# Allegro board SG2042_EVB_V2_0.brd (continued)
## Routing (per net, layer and track width the routed paths; a pad name or vN(x,y) marks a point on that pad's centre or on a via; arc(x,y) is an arc through that point) (continued)
DDR23_VPP_2V5: length 144.7
  TOP w0.203: v1(49.86,178.31) C6149.2 49.25,179.15 R12866.2
  TOP w0.254: C43.1 49.81,155.02 ; C43.1 49.38,154.58 ; C43.1 48.95,155.02 ; 66.19,158.76 J4.286 ; J4.286 66.19,160.09 ; J4.286 66.85,159.43 ; J4.286 65.53,159.43 ; J4.288 66.19,158.39 ; J4.288 65.53,157.73 ; J4.288 66.85,157.73 ; J4.288 66.19,157.06 ; J3.288 56.79,158.39 ; J3.288 57.45,157.73 ; J3.288 56.13,157.73 ; J3.288 56.79,157.06 ; 52.33,159.43 J3.142 ; J3.142 52.99,158.76 ; J3.142 53.65,159.43 ; R11.2 48.14,161.06 47.43,161.77 46.18,161.77 ; C63.1 59.21,155.02 ; C63.1 58.34,155.02 ; C63.1 58.78,154.58 ; J4.284 65.47,161.13 ; J3.287 55.85,158.57 ; J3.287 55.19,157.91 ; J3.287 54.53,158.57 ; 58.34,157.53 C62.1 ; C62.1 58.78,157.96 ; C62.1 59.21,157.53 ; 64.59,157.91 J4.287 ; J4.287 63.93,158.57 ; J4.287 65.25,158.57 ; J4.287 64.59,159.24 ; 49.81,159.61 C41.1 48.95,159.61 ; C64.1 58.78,154.18 ; C64.1 59.21,153.75 ; C64.1 58.34,153.75 ; J4.143 60.79,159.24 ; J4.143 60.13,158.57 ; J4.143 60.79,157.91 ; J4.143 61.45,158.57 ; 62.39,158.76 J4.142 ; J4.142 61.73,159.43 ; J4.142 63.05,159.43 ; 51.39,157.91 J3.143 ; J3.143 52.05,158.57 ; J3.143 50.73,158.57 ; C42.1 49.81,157.53 ; C42.1 48.95,157.53 ; C42.1 49.38,157.96 ; 56.79,158.76 J3.286 ; J3.286 57.45,159.43 ; J3.286 56.13,159.43 ; 58.34,159.61 C61.1 59.21,159.61 ; R13.2 R9.2 v1(48.16,213.61) ; C44.1 49.38,154.18 ; C44.1 49.81,153.75 ; C44.1 48.95,153.75 ; 46.23,164.72 R16.2 R15.2 ; 67.82,154.97 C3291.2 68.25,154.53
  ART14 w0.203: v1(49.86,178.31) 48.82,177.27 48.82,166.62 46.91,164.72 43.28,164.72 40.79,162.23 40.79,160.83 41,160.63 v1(42.42,160.63)
  ART14 w0.254: J3.286 57.45,159.43 ; J3.286 56.79,160.09 ; J3.286 56.79,158.76 ; J3.286 56.13,159.43 ; 52.33,159.43 J3.142 ; J3.142 52.99,158.76 ; J3.142 53.65,159.43 ; J3.142 52.99,160.09 ; J4.287 64.59,159.24 ; J4.287 64.59,157.91 ; J4.287 63.93,158.57 ; J4.287 65.25,158.57 ; J3.287 55.19,159.24 ; J3.287 55.85,158.57 ; J3.287 55.19,157.91 ; J3.287 54.53,158.57 ; J3.288 56.79,158.39 ; J3.288 56.79,157.06 ; J3.288 56.13,157.73 ; J3.288 57.45,157.73 ; 60.79,157.91 J4.143 ; J4.143 61.45,158.57 ; J4.143 60.13,158.57 ; J4.143 60.79,159.24 ; J3.284 57.45,161.13 ; J3.284 56.79,160.46 ; J3.284 56.13,161.13 ; 50.62,161.57 50.62,182.75 49.48,183.9 49.48,212.29 v1(48.16,213.61) ; 61.73,159.43 J4.142 ; J4.142 63.05,159.43 ; J4.142 62.39,160.09 ; J4.142 62.39,158.76 ; J3.143 51.39,159.24 ; J3.143 51.39,157.91 ; J3.143 52.05,158.57 ; J3.143 50.73,158.57
  vias: v1(42.42,160.07) v1(42.42,158.88) v1(42.42,158.32) v1(49.99,159.61) v1(49.99,157.53) v1(49.99,155.02) v1(49.99,153.75) v1(59.39,159.61) v1(59.39,157.53) v1(59.39,153.75)
DDR23_VTT_0V6: length 12.4
  TOP w0.254: 51.39,219.11 J3.77 ; J3.77 50.73,219.78 ; J3.77 52.05,219.78 ; 64.59,219.11 J4.221 63.93,219.78 ; 55.19,219.11 J3.221 ; J3.221 54.53,219.78 ; J3.221 55.85,219.78 ; R660.2 43.43,223.77 42.82,224.38 U56.3 ; 60.79,219.11 J4.77 ; J4.77 60.13,219.78 ; J4.77 61.45,219.78
  TOP w0.508: R660.2 C1535.1 C1536.1 C1537.1 43.43,220.01
DDR_REF: length 4.8
  TOP w0.381: U3273.H1 v1(197.08,97.25) ; U3273.U1 v1(197.08,105.23) ; U3273.AA6 v1(193.08,108.43)
  BOTTOM w0.381: v1(193.08,108.43) 193.27,108.43 C6179.1 ; R12958.2 R12961.1 C6178.1 196.9,105.05 v1(197.08,105.23)
DDR_VDD_0V8: length 455.5
  TOP w0.102: U202.23 196.8,294.14 196.7,294.03 196.41,294.03 196.16,293.78 196.16,292.62 195.67,292.13 195.38,292.13 C3407.1 v1(194.46,292.43)
  TOP w0.381: U1.AB42 U1.AA43 v1(131.75,229.05) ; U1.AF15 U1.AE14 v1(101.75,225.05) ; U1.BE14 v1(101.75,204.05) ; U1.BC14 v1(101.75,206.05) ; U1.AL43 v1(131.75,218.05) ; U1.AC43 v1(131.75,227.05) ; U1.Y15 U1.W14 v1(101.75,231.05) ; U1.T15 v1(102.75,234.05) ; U1.AB13 v1(100.75,228.05) ; U1.AY13 v1(100.75,209.05) ; U1.AP44 v1(132.75,215.05) ; U1.AT44 v1(132.75,213.05) ; U1.U43 v1(131.75,233.05) ; U1.AK42 v1(130.75,219.05) ; U1.AJ14 v1(101.75,220.05) ; U1.BA43 v1(131.75,208.05) ; U1.AK15 v1(102.75,219.05) ; U1.AW43 v1(131.75,210.05) ; U1.AT13 v1(100.75,213.05) ; U1.N14 v1(101.75,237.05) ; U1.AU14 v1(101.75,212.05) ; U1.AV13 v1(100.75,211.05) ; U1.R43 v1(131.75,235.05) ; U1.AH44 v1(132.75,222.05) ; U1.M44 v1(132.75,238.05) ; U1.T44 v1(132.75,234.05) ; U1.K13 v1(100.75,240.05) ; U1.Y44 v1(132.75,230.05) ; U1.AB44 v1(132.75,228.05) ; U1.W43 v1(131.75,231.05) ; U1.P15 v1(102.75,236.05) ; U1.AN43 v1(131.75,216.05) ; U1.AR14 v1(101.75,214.05) ; v1(101.75,229.05) U1.AA14 U1.AB15 ; U1.AV44 v1(132.75,211.05) ; U1.P44 v1(132.75,236.05) ; U1.M15 v1(102.75,238.05) ; U1.AL14 v1(101.75,218.05) ; U1.P13 v1(100.75,236.05) ; U1.AJ43 v1(131.75,220.05) ; U1.Y13 v1(100.75,230.05) ; U1.AF13 v1(100.75,224.05) ; U1.AK44 v1(132.75,219.05) ; U1.N43 v1(131.75,237.05) ; U1.V42 v1(130.75,232.05) ; U1.P42 v1(130.75,236.05) ; U1.T13 v1(100.75,234.05) ; U1.K15 v1(102.75,240.05) ; U1.AM13 v1(100.75,217.05) ; U1.AR43 v1(131.75,214.05) ; U1.BB44 v1(132.75,207.05) ; U1.M42 v1(130.75,238.05) ; U1.R14 v1(101.75,235.05) ; U1.AM44 v1(132.75,217.05) ; U1.BC43 v1(131.75,206.05) ; U1.T42 v1(130.75,234.05) ; U1.AY44 v1(132.75,209.05) ; U1.V44 v1(132.75,232.05) ; U1.AH15 U1.AG14 v1(101.75,223.05) ; U1.AH13 v1(100.75,222.05) ; U1.L43 v1(131.75,239.05) ; U1.AC14 v1(101.75,227.05) ; U1.K44 v1(132.75,240.05) ; U1.V13 v1(100.75,232.05) ; U1.BD13 v1(100.75,205.05) ; U1.V15 v1(102.75,232.05) ; U1.BD44 v1(132.75,205.05) ; U1.AD44 v1(132.75,226.05) ; U1.AP13 v1(100.75,215.05) ; U1.AF44 v1(132.75,224.05) ; U1.AW14 v1(101.75,210.05) ; U1.L14 v1(101.75,239.05) ; v1(131.75,225.05) U1.AE43 U1.AF42 ; U1.AN14 v1(101.75,216.05) ; U1.AU43 v1(131.75,212.05) ; U1.Y42 v1(130.75,230.05) ; U1.U14 v1(101.75,233.05) ; U1.AK13 v1(100.75,219.05) ; U1.BA14 v1(101.75,208.05) ; v1(131.75,223.05) U1.AG43 U1.AH42 ; U1.AD13 v1(100.75,226.05) ; U1.BB13 v1(100.75,207.05) ; U1.M13 v1(100.75,238.05) ; U1.K42 v1(130.75,240.05)
  TOP w0.508: C272.2 P_DDR_VDD_0V8.1
  ART03 w0.102: v1(207.77,170.54) 207.37,170.94 207.37,226.1 214.99,233.72 214.99,271.2 210.19,276 210.19,285.72 208.97,286.94 208.97,288.22 207.18,290.01 198.7,290.01 196.59,292.13 194.77,292.13 v1(194.46,292.43)
  ART05 w0.102: v1(207.77,170.54) 208.36,169.95 208.36,169.06 205.85,166.55 205.85,162.66 199.52,156.34 154.73,156.34 138.07,139.67 112.46,139.67 110.11,142.03 110.11,157.01 106.96,160.16 106.96,161.04 106.4,161.59 v1(105.66,161.59)
  BOTTOM w0.381: v1(131.75,216.05) C87.2 v1(132.75,217.05) C167.2 ; v1(101.75,204.05) C134.2 v1(100.75,205.05) C133.2 ; v1(101.75,206.05) C132.2 v1(100.75,207.05) C129.2 ; C92.2 v1(100.75,238.05) C90.2 v1(101.75,239.05) C91.2 v1(102.75,240.05) ; C122.2 v1(100.75,215.05) C123.2 v1(101.75,214.05) ; v1(131.75,208.05) C88.2 v1(132.75,209.05) C174.2 ; v1(101.75,220.05) C119.2 v1(102.75,219.05) ; v1(101.75,220.05) C115.2 ; v1(101.75,220.05) C116.2 ; FB16.2 C155.2 v1(131.75,225.05) C86.2 v1(132.75,224.05) C159.2 ; C156.2 v1(132.75,226.05) C153.2 v1(131.75,227.05) C152.2 ; FB20.2 C110.2 v1(101.75,225.05) C82.2 v1(100.75,224.05) C111.2 ; v1(101.75,212.05) C125.2 v1(100.75,213.05) C124.2 ; C128.2 v1(100.75,209.05) C84.2 v1(101.75,208.05) ; v1(131.75,206.05) C175.2 v1(132.75,207.05) C176.2 ; v1(130.75,236.05) C141.2 v1(131.75,235.05) C142.2 v1(132.75,234.05) C145.2 ; v1(130.75,232.05) C146.2 v1(131.75,231.05) C147.2 v1(132.75,230.05) C151.2 ; C160.2 v1(131.75,220.05) ; v1(131.75,220.05) C163.2 v1(130.75,219.05) ; v1(131.75,220.05) C161.2 ; C120.2 v1(100.75,217.05) C83.2 v1(101.75,216.05) ; C178.2 v1(132.75,205.05) C177.2 ; v1(131.75,210.05) C172.2 v1(132.75,211.05) C173.2 ; C126.2 v1(100.75,211.05) C127.2 v1(101.75,210.05) ; C95.2 v1(100.75,236.05) C93.2 v1(101.75,237.05) C94.2 v1(102.75,238.05) ; v1(130.75,234.05) C144.2 v1(131.75,233.05) C85.2 v1(132.75,232.05) C148.2 ; v1(130.75,240.05) C135.2 v1(131.75,239.05) C136.2 v1(132.75,238.05) C140.2 ; C165.2 v1(132.75,219.05) C164.2 v1(131.75,218.05) C166.2 FB14.2 ; C157.2 v1(131.75,223.05) C158.2 v1(132.75,222.05) C162.2 ; v1(131.75,212.05) C170.2 v1(132.75,213.05) C171.2 ; v1(131.75,214.05) C168.2 v1(132.75,215.05) C169.2 ; v1(102.75,236.05) C97.2 v1(101.75,235.05) C96.2 v1(100.75,234.05) C98.2 ; C108.2 v1(101.75,227.05) C107.2 v1(100.75,226.05) C109.2 ; C154.2 v1(132.75,228.05) C150.2 v1(131.75,229.05) C149.2 v1(130.75,230.05) ; C103.2 v1(100.75,230.05) C101.2 v1(101.75,231.05) C102.2 v1(102.75,232.05) ; C89.2 v1(100.75,240.05) ; C114.2 v1(100.75,222.05) C112.2 v1(101.75,223.05) C113.2 ; C137.2 v1(132.75,240.05) ; C117.2 v1(100.75,219.05) C118.2 v1(101.75,218.05) C121.2 ; C105.2 v1(101.75,229.05) C104.2 v1(100.75,228.05) C106.2 ; C143.2 v1(132.75,236.05) C139.2 v1(131.75,237.05) C138.2 v1(130.75,238.05) ; C100.2 v1(100.75,232.05) C81.2 v1(101.75,233.05) C99.2 v1(102.75,234.05)
  vias: v1(102.31,161.59) v1(102.31,161.04) v1(102.31,160.48) v1(102.31,159.92) v1(102.31,159.36) v1(102.87,161.59) v1(102.87,161.04) v1(102.87,160.48) v1(102.87,159.92) v1(102.87,159.36) v1(103.25,225.55) v1(103.25,217.55) v1(103.43,161.59) v1(103.43,161.04) v1(103.43,160.48) v1(103.43,159.92) v1(103.43,159.36) v1(103.99,161.59) v1(103.99,161.04) v1(103.99,160.48) v1(103.99,159.92) v1(103.99,159.36) v1(104.55,161.59) v1(104.55,161.04) v1(104.55,160.48) v1(104.55,159.92) v1(104.55,159.36) v1(105.11,161.59) v1(105.11,161.04) v1(105.11,160.48) v1(105.11,159.92) v1(105.11,159.36) v1(105.66,161.04) v1(105.66,160.48) v1(105.66,159.92) v1(105.66,159.36) v1(130.25,225.55) v1(130.25,217.55) v1(130.63,157.99) v1(130.63,157.43) v1(130.63,156.87) v1(131.19,157.99) v1(131.19,157.43) v1(131.19,156.87) v1(131.25,204.55)
DEBUG27: length 7.8
  TOP w0.102: R12523.1 R12518.1 132.38,73.23 134.65,73.23 134.86,73.01 138.06,73.01 U3235.AD24
DEBUG29: length 8.5
  TOP w0.102: R12723.1 R12719.1 130.51,73.43 136.08,73.43 U3235.AF23
DEBUG30: length 6.6
  TOP w0.102: R12722.1 R12718.1 v1(134.62,73.89) ; v1(138.86,73.81) 138.46,74.21 U3235.AD23
  ART03 w0.102: v1(134.62,73.89) 135.1,73.41 138.46,73.41 v1(138.86,73.81)
DEBUG31: length 12.7
  TOP w0.102: v1(130.45,73.89) R12720.1 R12721.1 ; v1(140.46,73.81) 140.06,74.21 U3235.AB23
  ART03 w0.102: v1(130.45,73.89) 131.01,73.33 134.7,73.33 135,73.03 139.67,73.03 v1(140.46,73.81)
DIMM_SCL: length 173
  TOP w0.102: R2082.1 R2084.1 v1(187.38,160.73) ; v1(46.76,161.14) R2086.1 R2088.1 ; R2255.1 v1(73.76,157.86) R2248.2
  BOTTOM w0.102: v1(46.76,161.14) 46.94,160.96 46.94,156.82 49.63,154.13 70.03,154.13 v1(73.76,157.86) 73.94,158.04 86.69,158.04 105.18,176.53 133.43,176.53 155.65,154.31 184,154.31 187.2,157.51 187.2,160.55 v1(187.38,160.73)
DIMM_SDA: length 177.1
  TOP w0.102: R2083.1 R2081.1 v1(187.38,162.46) ; R2254.1 v1(72.9,157.86) R2247.2 ; v1(46.76,163.93) R2087.1 R2085.1
  BOTTOM w0.102: v1(46.76,163.93) 47.14,163.55 47.14,156.9 49.72,154.33 69.37,154.33 v1(72.9,157.86) 73.28,158.24 86.61,158.24 105.1,176.73 133.51,176.73 155.74,154.51 183.91,154.51 186.99,157.59 186.99,162.08 v1(187.38,162.46)
DM1: length 5.9
  TOP w0.099: CON1100.11 16.05,214.85 arc(16.24,214.81) 16.4,214.7 16.99,214.11 arc(17.15,214) 17.34,213.96 18.35,213.96 arc(18.46,213.99) 18.55,214.05 D540.2 19.5,214.14 L1017.4 19.63,214.27 R12608.2
DM2: length 17.6
  BOTTOM w0.099: CON1100.2 12.85,214.85 arc(13.04,214.81) 13.2,214.7 13.79,214.11 arc(13.95,214) 14.14,213.96 14.79,213.96 arc(14.98,214) 15.14,214.11 15.62,214.59 arc(15.78,214.7) 15.97,214.73 16.29,214.73 arc(16.48,214.7) 16.64,214.59 17.22,214 arc(17.27,213.97) 17.33,213.96 17.41,213.96 17.79,213.96 arc(18.13,213.89) 18.42,213.69 19.43,212.68 arc(19.68,212.52) 19.97,212.46 22.67,212.46 arc(22.96,212.52) 23.2,212.68 24.19,213.67 arc(24.51,213.88) 24.89,213.96 25.15,213.96 arc(25.26,213.98) 25.35,214.04 D534.2 26.3,214.14 L1018.1 26.44,214.27 R12611.2
DM3: length 5.9
  TOP w0.099: CON1101.11 16.05,196.95 arc(16.24,196.91) 16.4,196.8 16.99,196.21 arc(17.15,196.1) 17.34,196.06 18.32,196.06 arc(18.44,196.09) 18.54,196.16 D574.2 19.5,196.26 L1029.4 19.63,196.39 R12792.2
DM4: length 17.6
  BOTTOM w0.099: R12795.2 26.44,196.39 L1030.1 26.3,196.26 D568.2 25.35,196.16 arc(25.26,196.1) 25.15,196.08 24.89,196.08 arc(24.51,196) 24.19,195.78 23.2,194.8 arc(22.96,194.63) 22.67,194.58 19.97,194.58 arc(19.68,194.63) 19.43,194.8 18.41,195.82 arc(18.15,196) 17.85,196.06 17.41,196.06 17.33,196.06 arc(17.27,196.07) 17.22,196.1 16.64,196.69 arc(16.48,196.8) 16.29,196.83 15.97,196.83 arc(15.78,196.8) 15.62,196.69 15.14,196.21 arc(14.98,196.1) 14.79,196.06 14.14,196.06 arc(13.95,196.1) 13.79,196.21 13.2,196.8 arc(13.04,196.91) 12.85,196.95 CON1101.2
DM5: length 12.1
  TOP w0.099: J2047.U2 17.5,176.59 arc(17.53,176.52) 17.6,176.49 17.95,176.49 arc(18.36,176.41) 18.72,176.17 20.17,174.72 arc(20.73,173.88) 20.93,172.88 20.93,172.47 arc(21.05,171.86) 21.4,171.34 21.41,171.32 arc(21.93,170.97) 22.54,170.85 23.55,170.85 arc(23.66,170.88) 23.75,170.94 D606.2 24.7,171.04 L1007.4 24.84,171.17 R12453.2
DM6: length 19.2
  TOP w0.099: R12456.2 24.84,168.07 L1008.1 24.7,168.2 D608.2 23.75,168.3 arc(23.66,168.37) 23.55,168.39 22.76,168.39 arc(21.86,168.57) 21.1,169.08 19.78,170.4 arc(19.3,171.12) 19.13,171.97 19.13,172.12 arc(18.98,172.84) 18.58,173.45 18.56,173.46 arc(17.95,173.87) 17.24,174.01 14.41,174.01 arc(13.98,174.1) 13.62,174.34 13.6,174.36 arc(13.36,174.72) 13.28,175.15 13.28,175.52 arc(13.35,175.88) 13.56,176.19 13.57,176.21 arc(13.88,176.42) 14.25,176.49 14.78,176.49 arc(14.85,176.52) 14.88,176.59 J2047.U6
DP1: length 5.9
  TOP w0.099: CON1100.12 16.05,212.85 arc(16.24,212.89) 16.4,213 16.99,213.59 arc(17.15,213.7) 17.34,213.74 18.33,213.74 arc(18.44,213.71) 18.54,213.65 D539.2 19.5,213.54 L1017.1 19.63,213.41 R12610.2
DP2: length 17.6
  BOTTOM w0.099: CON1100.3 12.85,212.85 arc(13.04,212.89) 13.2,213 13.79,213.59 arc(13.95,213.7) 14.14,213.74 14.79,213.74 arc(14.98,213.7) 15.14,213.59 15.62,213.11 arc(15.78,213) 15.97,212.97 16.29,212.97 arc(16.48,213) 16.64,213.11 17.22,213.69 arc(17.27,213.72) 17.33,213.73 17.41,213.73 17.79,213.73 arc(18.04,213.68) 18.26,213.53 19.27,212.52 arc(19.59,212.31) 19.97,212.23 22.67,212.23 arc(23.04,212.31) 23.37,212.52 24.35,213.51 arc(24.6,213.67) 24.89,213.73 25.15,213.73 arc(25.26,213.71) 25.35,213.64 D533.2 26.3,213.54 L1018.4 26.44,213.41 R12609.2
DP3: length 5.9
  TOP w0.099: CON1101.12 16.05,194.95 arc(16.24,194.99) 16.4,195.1 16.99,195.69 arc(17.15,195.8) 17.34,195.84 18.36,195.84 arc(18.46,195.82) 18.55,195.76 D573.2 19.5,195.66 L1029.1 19.63,195.53 R12794.2
DP4: length 17.6
  BOTTOM w0.099: CON1101.3 12.85,194.95 arc(13.04,194.99) 13.2,195.1 13.79,195.69 arc(13.95,195.8) 14.14,195.84 14.79,195.84 arc(14.98,195.8) 15.14,195.69 15.62,195.21 arc(15.78,195.1) 15.97,195.07 16.29,195.07 arc(16.48,195.1) 16.64,195.21 17.22,195.79 arc(17.27,195.82) 17.33,195.83 17.41,195.83 17.85,195.83 arc(18.06,195.78) 18.25,195.66 19.27,194.64 arc(19.59,194.42) 19.97,194.35 22.67,194.35 arc(23.04,194.42) 23.37,194.64 24.35,195.62 arc(24.6,195.79) 24.89,195.85 25.15,195.85 arc(25.26,195.82) 25.35,195.76 D567.2 26.3,195.66 L1030.4 26.44,195.53 R12793.2
DP5: length 12.1
  TOP w0.099: J2047.U3 17.5,176.16 arc(17.53,176.23) 17.6,176.26 17.95,176.26 arc(18.28,176.2) 18.55,176.01 20.01,174.56 arc(20.52,173.79) 20.7,172.88 20.7,172.47 arc(20.84,171.77) 21.24,171.18 21.25,171.16 arc(21.85,170.76) 22.54,170.62 23.55,170.62 arc(23.66,170.6) 23.75,170.54 D607.2 24.7,170.44 L1007.1 24.84,170.31 R12455.2
DP6: length 19.2
  TOP w0.099: J2047.U7 14.88,176.16 arc(14.85,176.23) 14.78,176.26 14.25,176.26 arc(13.97,176.21) 13.73,176.05 13.72,176.03 arc(13.56,175.79) 13.5,175.52 13.5,175.15 arc(13.57,174.81) 13.77,174.52 13.78,174.5 arc(14.07,174.31) 14.41,174.24 15.56,174.24 arc(15.74,174.31) 15.81,174.49 15.81,174.56 arc(16.06,174.81) 16.31,174.56 16.31,174.49 arc(16.38,174.31) 16.56,174.24 17.24,174.24 arc(18.04,174.08) 18.72,173.62 18.74,173.61 arc(19.2,172.93) 19.35,172.12 19.35,171.97 arc(19.51,171.21) 19.94,170.56 21.26,169.24 arc(21.95,168.78) 22.76,168.62 23.55,168.62 arc(23.66,168.64) 23.75,168.7 D609.2 24.7,168.8 L1008.4 24.84,168.94 R12454.2
DPE_RSTN: length 470.5
  TOP w0.102: R12816.1 v1(215.44,167.21) ; R12539.1 v1(56.39,48.62) ; R12905.2 C5690.1 R12506.1 v1(162.05,88.65) ; R12552.1 v1(220.88,79.81) ; R12953.2 v1(200.13,92.05) ; R12531.1 v1(57.56,109.58) ; R12536.1 v1(57.56,68.94) ; R12584.1 v1(21.44,156.74) ; R12577.1 v1(165.1,43.18)
  ART05 w0.102: v1(165.1,43.18) 165.1,43.69 161.29,47.5 153.14,47.5 150.04,50.6 58.37,50.6 v1(56.39,48.62)
  ART14 w0.102: v1(215.44,167.21) 215.44,163.93 208.31,156.79 208.31,98.93 204.6,95.22 201.65,95.22 200.13,93.7 v1(200.13,92.05) 212.37,79.81 v1(220.88,79.81) ; v1(21.44,156.74) 21.01,156.31 21.01,146.3 48.08,119.23 48.08,114.73 53.24,109.58 v1(57.56,109.58) 57.56,107.19 55.83,105.46 55.83,93.78 55.12,93.07 55.12,81.1 57.56,78.66 v1(57.56,68.94) 57.56,66.42 56.39,65.25 v1(56.39,48.62) ; v1(165.1,43.18) 164.44,43.84 164.44,49.58 157.68,56.34 157.68,77.82 159.34,79.47 159.34,83.21 162.05,85.93 v1(162.05,88.65)
  BOTTOM w0.102: v1(162.05,88.65) 167.26,83.44 178.23,83.44 179.15,82.52 191.41,82.52 194.13,79.81 v1(220.88,79.81)
EMMC_CD_X: length 0.9
  TOP w0.102: R38.1 R1254.1
EMMC_CLK: length 21
  TOP w0.102: R36.1 T8.1 v1(212.01,275.44) ; U2.M6 v1(219.2,278.89)
  ART05 w0.102: v1(212.01,275.44) 210.95,275.44 210.03,276.35 210.03,279.53 210.9,280.39 215.01,280.39 215.11,280.29 215.11,279.91 215.21,279.81 215.41,279.81 215.51,279.91 215.51,280.29 215.62,280.39 215.82,280.39 215.92,280.29 215.92,279.91 216.02,279.81 216.23,279.81 216.33,279.91 216.33,280.29 216.43,280.39 216.63,280.39 216.73,280.29 216.73,279.91 216.84,279.81 217.04,279.81 217.14,279.91 217.14,280.29 217.24,280.39 217.7,280.39 v1(219.2,278.89)
EMMC_CMD: length 22.6
  TOP w0.102: R1246.1 v1(210.79,278.03) ; U2.M5 220.2,279.14 v1(219.95,278.89)
  ART05 w0.102: v1(210.79,278.03) 210.34,278.49 210.34,279.07 210.59,279.32 212.5,279.32 212.6,279.22 212.6,278.41 212.7,278.31 212.9,278.31 213.01,278.41 213.01,279.22 213.11,279.32 213.31,279.32 213.41,279.22 213.41,278.41 213.51,278.31 213.72,278.31 213.82,278.41 213.82,279.22 213.92,279.32 214.12,279.32 214.23,279.22 214.23,278.41 214.33,278.31 214.53,278.31 214.63,278.41 214.63,279.22 214.73,279.32 214.94,279.32 215.04,279.22 215.04,278.41 215.14,278.31 215.34,278.31 215.44,278.41 215.44,279.22 215.55,279.32 215.75,279.32 215.85,279.22 215.85,278.41 215.95,278.31 216.16,278.31 216.26,278.41 216.26,279.22 216.36,279.32 217.02,279.32 217.95,278.39 219.45,278.39 v1(219.95,278.89)
  BOTTOM w0.102: R40.2 219.94,278.9 v1(219.95,278.89)
EMMC_DAT0: length 21.6
  TOP w0.102: U2.A3 v1(221.56,273.38) ; R1247.1 v1(210.79,277.16)
  ART05 w0.102: v1(221.56,273.38) 220.83,274.12 218.21,274.12 217.6,274.73 217.46,274.73 217,274.27 216.85,274.27 216.71,274.41 216.71,274.55 217.17,275.01 217.17,275.16 217.02,275.3 216.88,275.3 216.29,274.71 216.15,274.71 216.01,274.86 216.01,275 216.59,275.59 216.59,275.73 216.45,275.88 216.31,275.88 215.72,275.29 215.57,275.29 215.43,275.43 215.43,275.58 216.02,276.17 216.02,276.31 215.87,276.45 215.73,276.45 215.14,275.86 215,275.86 214.86,276.01 214.86,276.15 215.44,276.74 215.44,276.88 215.3,277.03 215.16,277.03 214.57,276.44 214.42,276.44 213.7,277.16 v1(210.79,277.16)
  BOTTOM w0.102: R31.2 v1(221.56,273.38)
EMMC_DAT1: length 20.9
  TOP w0.102: U2.A4 220.7,273.38 v1(220.7,273.38) ; R1248.1 v1(210.79,276.3)
  ART05 w0.102: v1(210.79,276.3) 212.03,276.3 212.33,276 212.48,276 213.19,276.71 213.33,276.71 213.48,276.57 213.48,276.42 212.76,275.71 212.76,275.57 212.91,275.42 213.05,275.42 213.77,276.14 213.91,276.14 214.05,275.99 214.05,275.85 213.34,275.14 213.34,274.99 213.48,274.85 213.63,274.85 214.34,275.56 214.48,275.56 214.63,275.42 214.63,275.27 213.91,274.56 213.91,274.42 214.47,273.86 214.94,273.86 215.04,273.96 215.04,274.63 215.14,274.73 215.35,274.73 215.45,274.63 215.45,273.96 215.55,273.86 220.22,273.86 v1(220.7,273.38)
  BOTTOM w0.102: v1(220.7,273.38) R32.2
EMMC_DAT2: length 22.8
  TOP w0.102: R1249.1 v1(210.79,282.35) ; U2.A5 v1(219.84,273.38)
  ART05 w0.102: v1(210.79,282.35) 209.73,281.28 209.73,276.23 212.95,273 215.13,273 215.23,273.1 215.23,273.37 215.34,273.47 215.54,273.47 215.64,273.37 215.64,273.1 215.74,273 215.95,273 216.05,273.1 216.05,273.37 216.15,273.47 216.35,273.47 216.45,273.37 216.45,273.1 216.56,273 216.76,273 216.86,273.1 216.86,273.37 216.96,273.47 217.17,273.47 217.27,273.37 217.27,273.1 217.37,273 217.57,273 217.67,273.1 217.67,273.37 217.77,273.47 217.98,273.47 218.08,273.37 218.08,273.1 218.18,273 219.46,273 v1(219.84,273.38)
  BOTTOM w0.102: R33.2 v1(219.84,273.38)
EMMC_DAT3: length 22.4
  TOP w0.089: U2.B2 221.95,274.64 222.45,274.64
  TOP w0.102: 222.45,274.64 222.69,274.64 v1(223.09,274.24) ; R1250.1 v1(210.79,278.89)
  ART05 w0.102: v1(223.09,274.24) 222.96,274.37 219.4,274.37 218.79,274.98 218.64,274.98 218.34,274.68 218.19,274.68 218.05,274.82 218.05,274.96 218.36,275.27 218.36,275.41 218.21,275.56 218.07,275.56 217.76,275.25 217.62,275.25 217.47,275.39 217.47,275.54 217.78,275.85 217.78,275.99 217.64,276.13 217.49,276.13 217.19,275.83 217.04,275.83 216.9,275.97 216.9,276.11 217.21,276.42 217.21,276.56 217.06,276.71 216.92,276.71 216.61,276.4 216.47,276.4 216.32,276.54 216.32,276.69 216.63,277 216.63,277.14 216.49,277.28 216.34,277.28 216.04,276.98 215.89,276.98 215.75,277.12 215.75,277.26 216.06,277.57 216.06,277.71 215.78,277.99 211.7,277.99 v1(210.79,278.89)
  BOTTOM w0.102: R34.2 222.83,273.99 v1(223.09,274.24)
EMMC_DS: length 1.3
  TOP w0.102: U2.H5 v1(220.7,276.89)
  BOTTOM w0.102: v1(220.7,276.89) 220.7,276.89 R42.1
EMMC_PWR_EN: length 1.1
  TOP w0.102: R1251.1 211.02,280.62 T6.1
EMMC_RST_X: length 14.3
  TOP w0.102: U2.K5 v1(220.7,277.89) ; R1252.1 v1(210.79,281.48)
  ART05 w0.102: v1(220.7,277.89) 221.28,278.48 221.28,279.17 220.62,279.83 218.69,279.83 217.82,280.7 211.58,280.7 v1(210.79,281.48)
EMMC_WP: length 0.9
  TOP w0.102: R1253.1 R39.1
EN_3.3V_AUX_PCIE: length 185.2
  TOP w0.102: R12923.1 v1(111.68,34.32) ; v1(18.41,114.96) R2515.1 R12922.1 20.62,114.22 U2019.5
  ART03 w0.102: v1(18.54,29.67) 18.92,30.05 18.92,31.42 18.16,32.18 18.16,69.77 18.19,69.8 18.19,114.73 v1(18.41,114.96)
  BOTTOM w0.102: v1(111.68,34.32) 84.54,34.32 80.53,30.3 19.18,30.3 v1(18.54,29.67)
EN_DDR01_VDDQ_1V2: length 193.9
  TOP w0.102: R12846.2 R12847.1 v1(188.21,191.24) 188.42,191.03 U3269.9 ; v1(162.66,53.9) 162.03,54.53 143.14,54.53 138.23,49.62 138.23,40.26 135.76,37.8 R2068.2
  ART14 w0.102: v1(188.21,191.24) 188.59,190.86 188.59,183.97 186.49,181.86 186.49,134.6 171.2,119.31 171.2,93.06 160.76,82.62 160.76,78.88 159.11,77.23 159.11,58.45 159.49,58.07 159.49,57.07 v1(162.66,53.9)
EN_DDR01_VPP_2V5: length 189.9
  TOP w0.102: v1(162.1,55.14) 161.91,54.94 142.97,54.94 137.82,49.79 137.82,42.44 135.76,40.39 R2072.2 ; v1(195.2,181.76) R12839.2 195.83,181.74 R235.1 C6119.1 R12842.1 195.25,180.87 195.02,180.64 195.02,179.17 193.78,177.93 U29.8
  ART14 w0.102: v1(162.1,55.14) 159.69,57.55 159.69,60.2 160.1,60.6 160.1,77.4 160.96,78.27 160.96,82.54 171.4,92.98 171.4,119.22 186.69,134.52 186.69,176.83 189.1,179.25 192.68,179.25 v1(195.2,181.76)
EN_DDR23_VDDQ_1V2: length 292.5
  TOP w0.102: R12859.2 R12858.1 v1(38.71,191.24) 38.91,191.03 U3270.9 ; R2069.2 v1(135.76,36.93)
  ART03 w0.102: v1(17.93,31.5) 17.75,31.67 17.75,125.94 35.81,144 35.81,147.86 38.15,150.2 38.15,176.92 39.09,177.86 39.09,190.86 v1(38.71,191.24)
  BOTTOM w0.102: v1(135.76,36.93) 134.85,36.02 85.38,36.02 80.27,30.91 18.52,30.91 v1(17.93,31.5)
EN_DDR23_VPP_2V5: length 294.5
  TOP w0.102: R2073.2 v1(135.76,34.34) ; U3271.8 45.5,177.93 46.74,179.17 46.74,180.64 46.96,180.87 R12876.1 C6153.1 R12875.1 47.55,181.74 R12865.2 v1(46.91,181.76)
  ART03 w0.102: v1(46.91,181.76) 43.28,181.76 38.35,176.83 38.35,150.11 36.02,147.78 36.02,143.92 17.96,125.86 17.96,32.05 18.54,31.47 v1(18.54,30.28)
  BOTTOM w0.102: v1(135.76,34.34) 134.49,35.61 85.55,35.61 80.44,30.51 18.77,30.51 v1(18.54,30.28)
EN_DDR_VDD_0V8: length 347.7
  TOP w0.102: R2562.1 v1(193.65,297.31) ; R2077.2 v1(135.76,42.11)
  ART03 w0.102: v1(193.65,297.31) 194.87,296.09 194.87,294.96 199.21,290.62 207.43,290.62 209.58,288.47 209.58,287.2 211.43,285.34 211.43,277.09 215.6,272.92 215.6,233.47 207.98,225.85 207.98,171.74 209.55,170.16 209.55,147.4 226.09,130.86 226.09,101.17 195,70.08 195,58.67 176.94,40.61 v1(176.94,40.06)
  BOTTOM w0.102: v1(135.76,42.11) 137.54,43.89 146.86,43.89 147.83,44.86 157.77,44.86 162.16,40.46 176.53,40.46 v1(176.94,40.06)
EN_VDD_1V2: length 125.2
  TOP w0.102: R12996.1 v1(119.74,23.6) ; v1(175.67,81.23) R12984.1 R12987.1 177.88,80.49 U3277.5
  ART14 w0.102: v1(175.67,81.23) 175.67,77.24 176.78,76.12 176.78,58.85 170.18,52.25 v1(170.18,22.63)
  BOTTOM w0.102: v1(119.74,23.6) 120.4,24.26 120.4,27.14 122.85,29.59 128.99,29.59 135.13,23.45 135.13,22.92 136.69,21.36 162.41,21.36 164.06,23.01 169.8,23.01 v1(170.18,22.63)
EN_VDD_1V5: length 153.2
  TOP w0.102: R12995.1 v1(118.87,23.6) ; v1(217.42,99.36) R12978.1 R12981.1 215.21,100.1 U3276.5
  ART03 w0.102: v1(158.27,22.63) 158.67,22.63 194.79,58.76 194.79,70.16 217.42,92.79 v1(217.42,99.36)
  BOTTOM w0.102: v1(118.87,23.6) 120.19,24.92 120.19,27.22 122.77,29.79 129.07,29.79 135.33,23.54 135.33,23 136.77,21.56 147.94,21.56 149,22.63 v1(158.27,22.63)